# Allegro board 600-90658-01_CYW9BTM2BASE1_REV4.0.brd
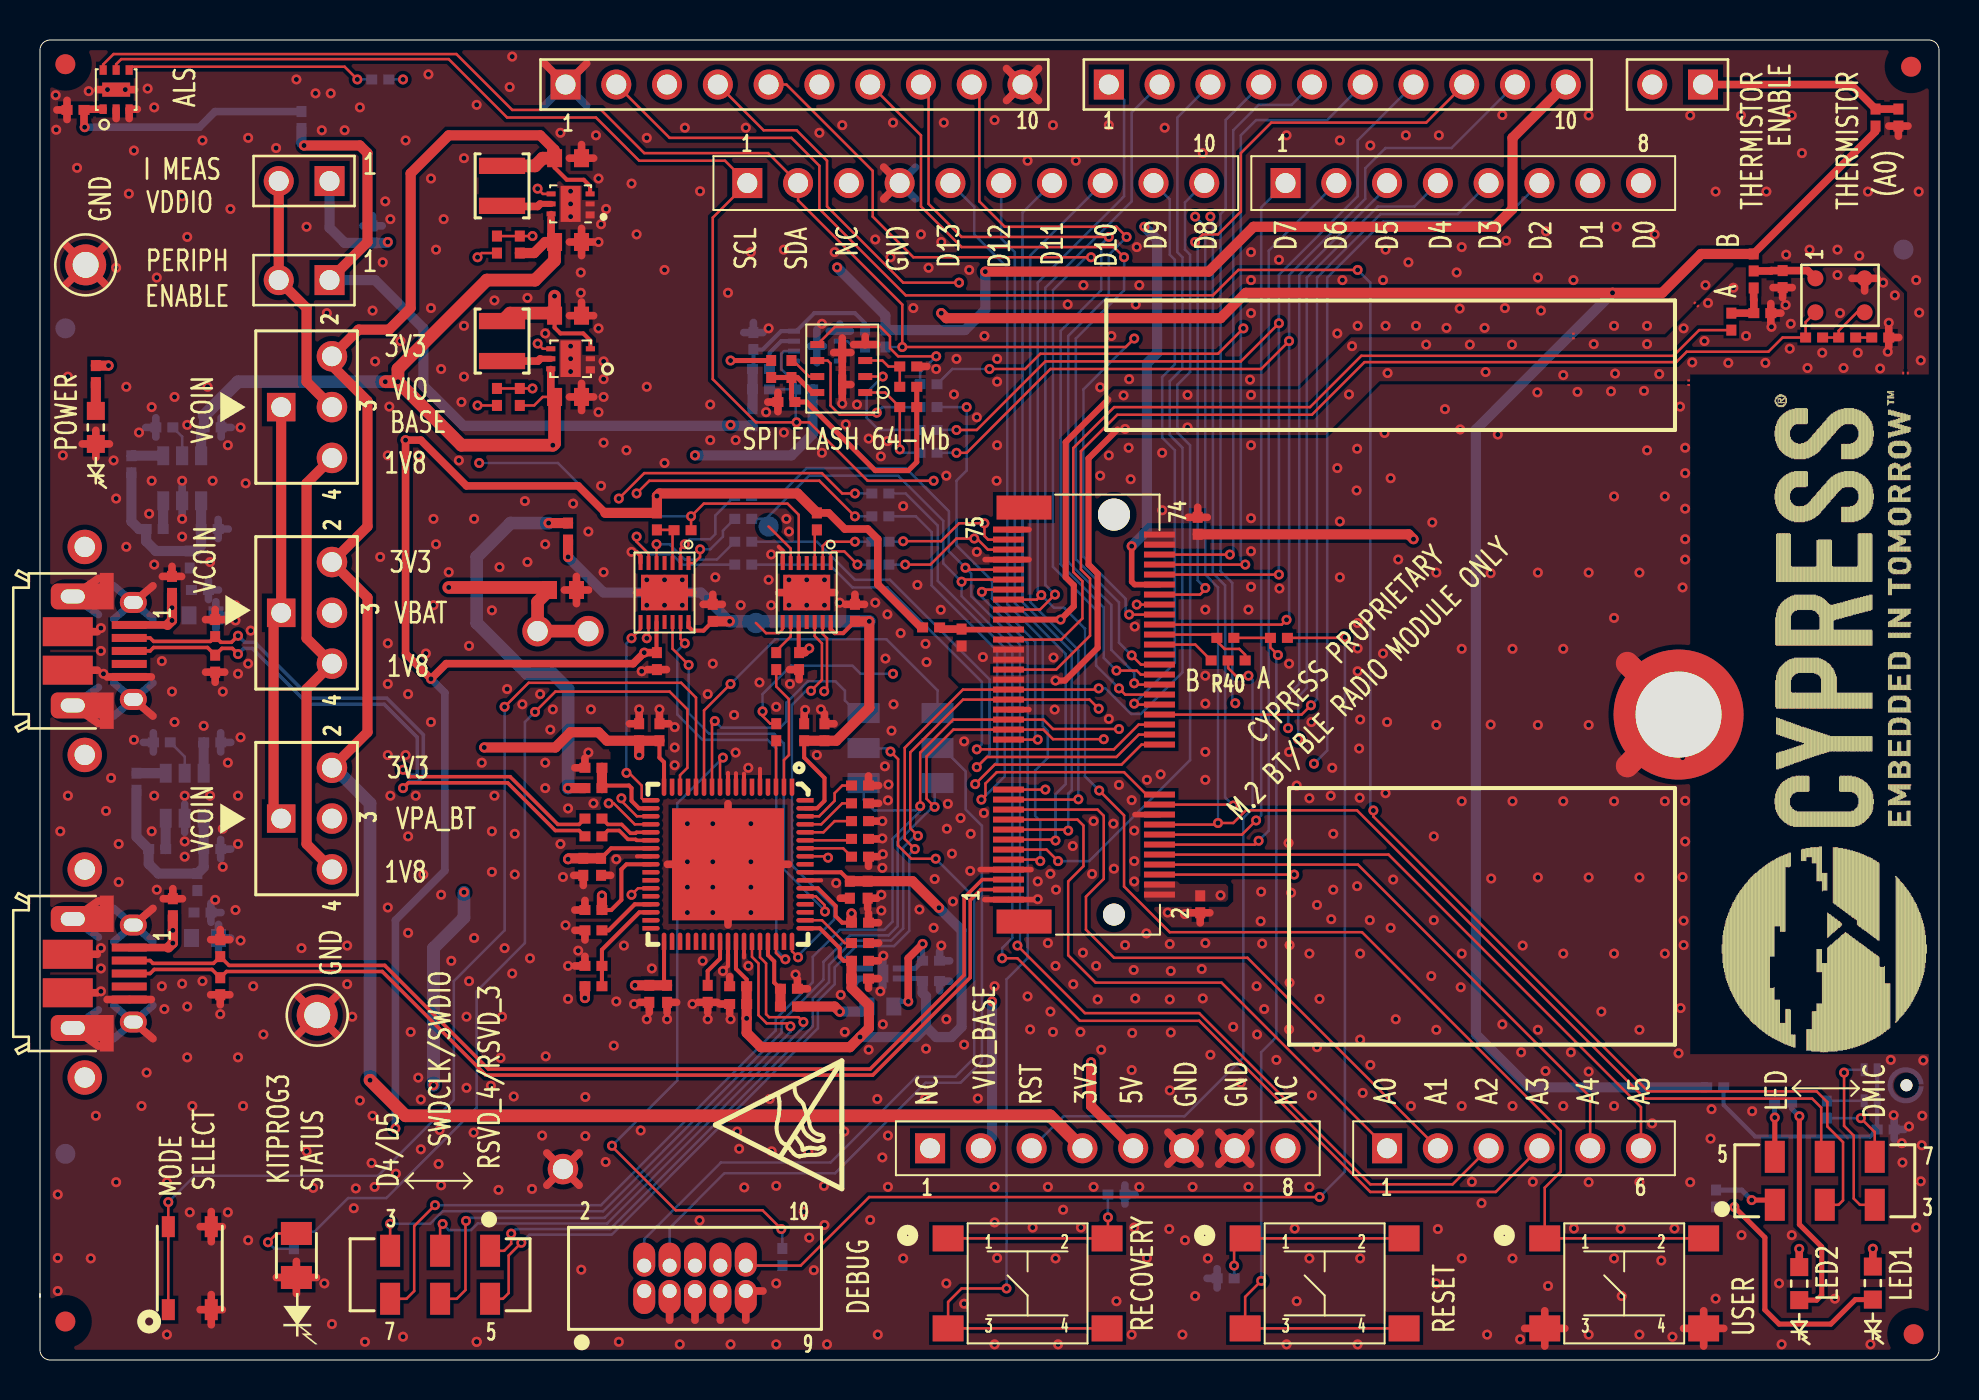
[diagram p0: board, top side]
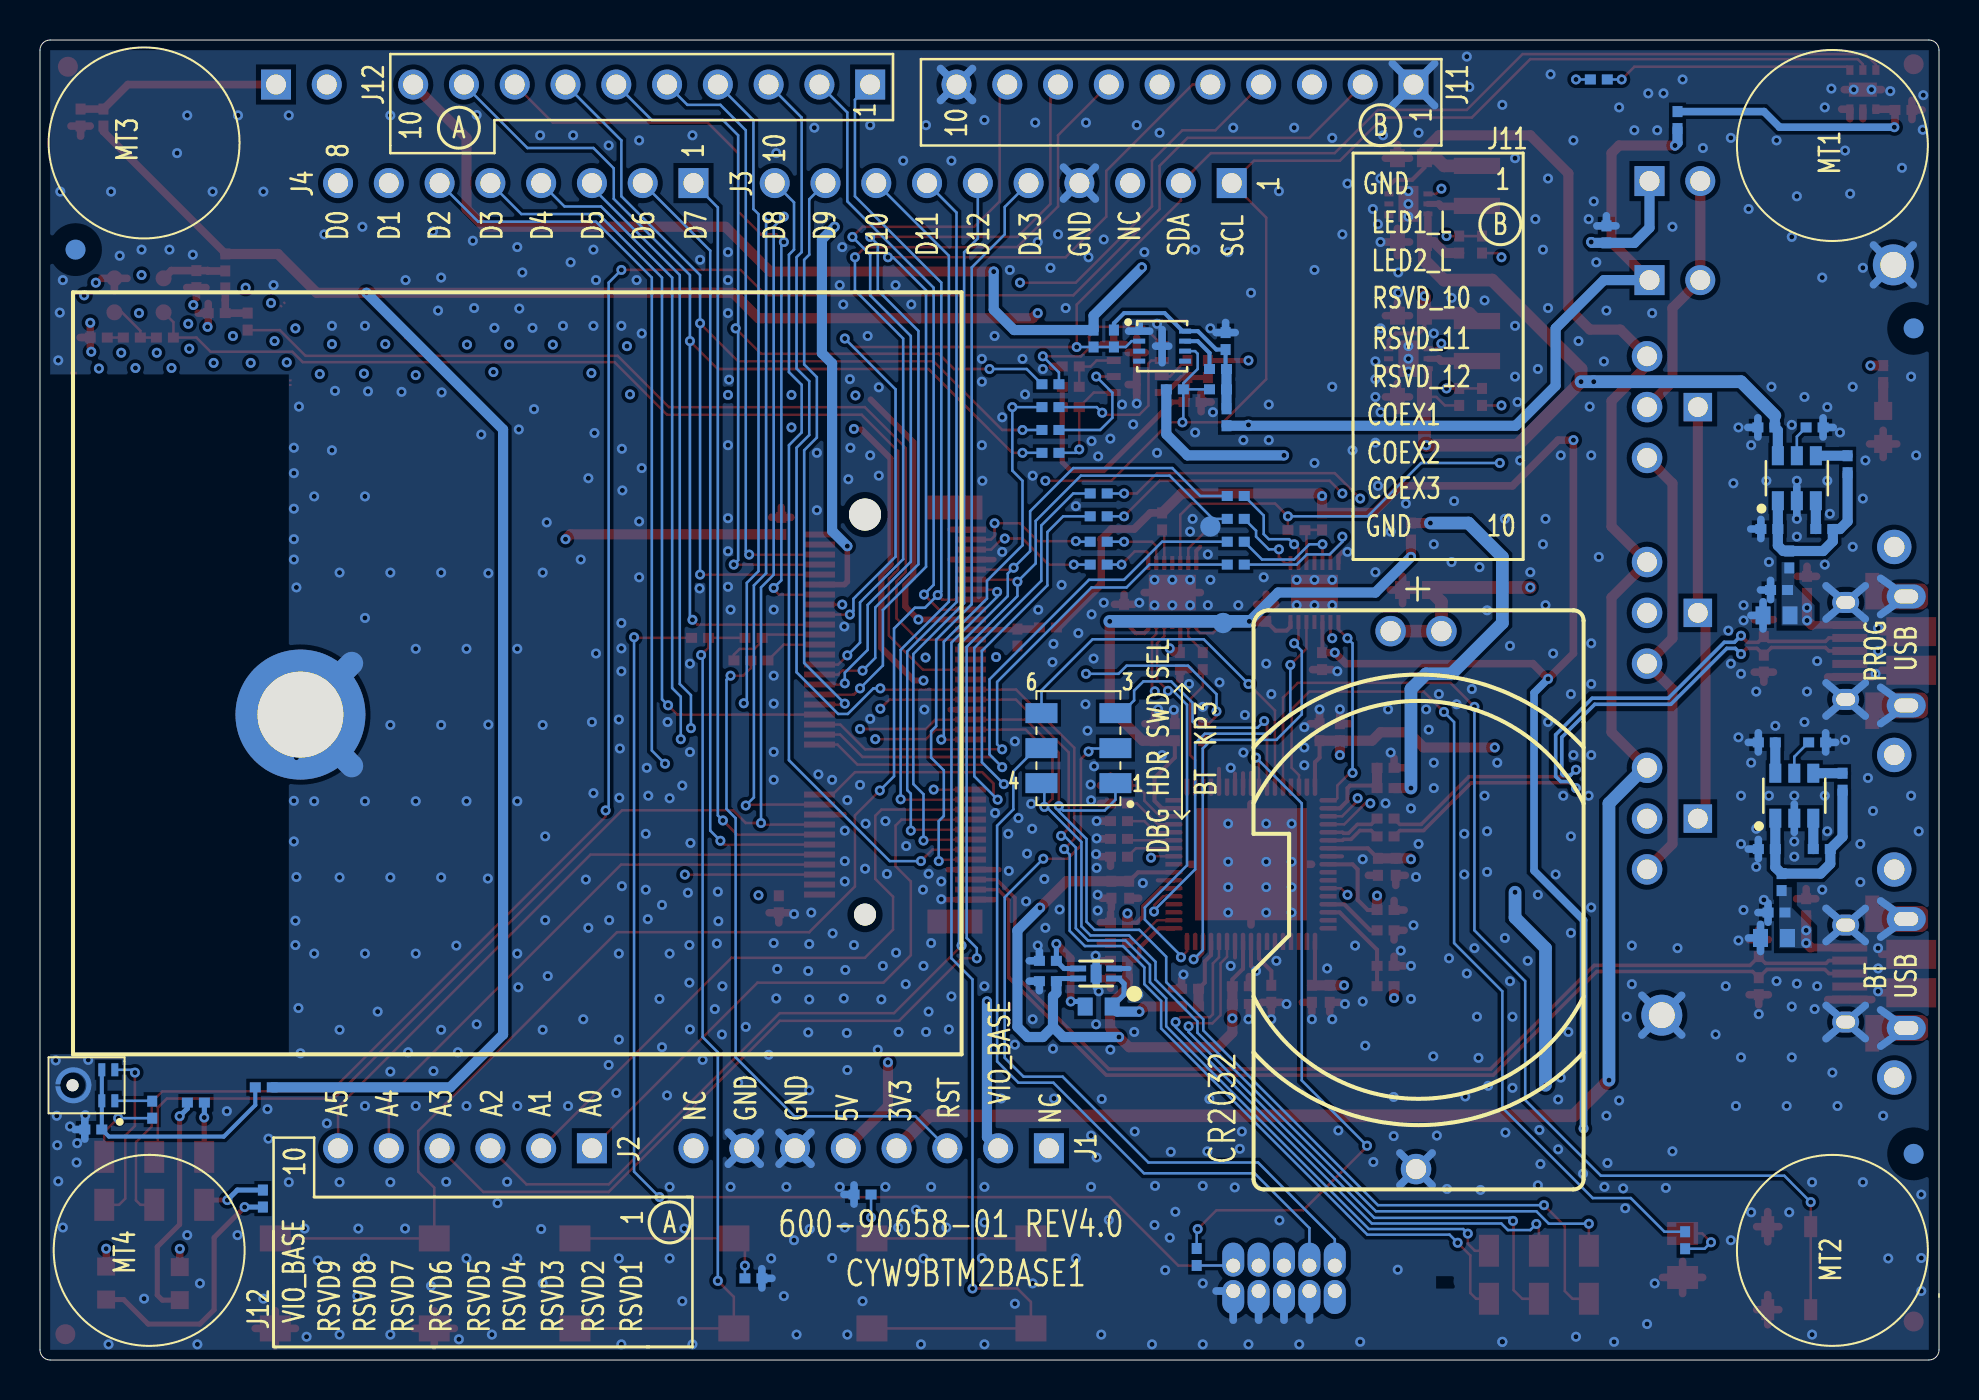
[diagram p1: board, bottom side, seen from below]

Outline 95 x 66 mm; copper layers: TOP, L02_GND, L03_PWR, BOTTOM. Coordinates in mm from the lower left corner of the outline.
Outline path: 0,65.49 arc(0.15,65.85) 0.51,66 94.49,66 arc(94.85,65.85) 95,65.49 95,0.51 arc(94.85,0.15) 94.49,0 0.51,0 arc(0.15,0.15) 0,0.51 0,3.32 0,3.13 0,65.49

## Design rules (mm)
net group BT_USB: nets BT_USB_DN BT_USB_DP
net group DP3: nets N17325251 N17325253
net group P5LP_USB_D: nets P5LP_USB_DM P5LP_USB_DP
net group PWR_PH: nets VDDUSB
nets with their own width: min track width 0.635; nets P5LP_VDD

## Placement (name value [footprint] x y rotation side)
BT1  BA2032  [BA2032-BATTERY_HOLDER]  26.16 9.54 90 bottom
C1  0.1uF  [CAPC1005_IS0402Q]  16.64 56.28 90 bottom
C2  0.1uF  [CAPC1005_IS0402Q]  46.1 36.12 270 top
C3  0.1uF  [CAPC1005_IS0402Q]  57.91 41.71 90 top
C5  4.7uF  [CAPC1005_IS0402Q]  86.16 52.34 0 top
C6  0.1uF  [CAPC1005_IS0402Q]  87.17 54.05 270 top
C7  0.47uF  [CAPC1005_IS0402Q]  92.06 51.12 0 top
C11  0.1uF  [CAPC1005_IS0402Q]  35.69 50.95 90 bottom
C13  4.7uF  [CAPC1608_IS0603Q]  26.16 38.5 0 top
C14  1uF  [CAPC1005_IS0402Q]  39.24 31.39 90 top
C15  10uF  [CAPC1608_IS0603Q]  26.42 55.9 0 top
C16  10uF  [CAPC1608_IS0603Q]  26.42 60.09 0 top
C17  4.7uF  [CAPC1005_IS0402Q]  1.78 62.5 180 top
C18  0.1uF  [CAPC1005_IS0402Q]  92.33 11.53 0 bottom
C19  10uF  [CAPC1608_IS0603Q]  26.42 48.15 0 top
C20  10uF  [CAPC1608_IS0603Q]  26.42 52.22 0 top
C21  0.1uF  [CAPC1005_IS0402Q]  44.58 19.96 0 bottom
C22  0.1uF  [CAPC1005_IS0402Q]  8 38.5 0 bottom
C23  4.7uF  [CAPC1608_IS0603Q]  8.13 37.23 0 bottom
C24  0.1uF  [CAPC1005_IS0402Q]  58.04 22.79 270 top
C25  1uF  [CAPC1005_IS0402Q]  41.02 20.85 0 top
C26  1uF  [CAPC1005_IS0402Q]  27.69 21.48 180 top
C27  1uF  [CAPC1005_IS0402Q]  41.4 23.51 270 top
C29  0.1uF  [CAPC1005_IS0402Q]  40.51 23.51 270 top
C30  1uF  [CAPC1005_IS0402Q]  41.02 19.07 0 top
C31  0.1uF  [CAPC1005_IS0402Q]  41.02 19.96 0 top
C32  1uF  [CAPC1005_IS0402Q]  30.48 18.31 270 top
C33  0.1uF  [CAPC1005_IS0402Q]  31.37 18.31 270 top
C34  1uF  [CAPC1005_IS0402Q]  34.92 17.8 180 top
C35  0.1uF  [CAPC1005_IS0402Q]  34.92 18.69 180 top
C36  1uF  [CAPC1005_IS0402Q]  29.97 31.39 90 top
C37  0.1uF  [CAPC1005_IS0402Q]  30.99 31.39 90 top
C38  1uF  [CAPC1005_IS0402Q]  27.18 24.66 270 top
C39  0.1uF  [CAPC1005_IS0402Q]  28.07 24.66 270 top
C40  0.1uF  [CAPC1005_IS0402Q]  38.23 31.39 90 top
C41  1uF  [CAPC1005_IS0402Q]  27.69 22.5 180 top
C42  1uF  [CAPC1005_IS0402Q]  41.02 21.86 0 top
C43  1uF  [CAPC1005_IS0402Q]  33.4 18.31 270 top
C45  0.1uF  [CAPC1005_IS0402Q]  40.77 37.36 90 top
C46  1uF  [CAPC1005_IS0402Q]  44.58 18.94 0 bottom
C47  0.1uF  [CAPC1005_IS0402Q]  37.97 34.94 270 top
C48  0.1uF  [CAPC1005_IS0402Q]  33.66 37.36 90 top
C49  0.1uF  [CAPC1005_IS0402Q]  30.86 34.94 270 top
C50  0.1uF  [CAPC1005_IS0402Q]  37.34 47.9 180 top
C51  0.1uF  [CAPC1005_IS0402Q]  8.13 22.37 0 bottom
C52  4.7uF  [CAPC1608_IS0603Q]  8.26 21.1 0 bottom
C53  1uF  [CAPC1005_IS0402Q]  8.49 41.55 0 bottom
C54  1uF  [CAPC1005_IS0402Q]  8.61 25.55 0 bottom
C55  1uF  [CAPC1005_IS0402Q]  8.64 46.63 0 bottom
C56  1uF  [CAPC1005_IS0402Q]  8.61 30.88 0 bottom
D1  YELLOW  [LEDC1608Q]  91.69 3.85 180 top
D2  RED  [LEDC1608Q]  88 3.82 180 top
D3  GREEN  [LEDC1608Q]  2.79 46.63 180 top
D5  YELLOW  [LEDC2012X120M]  12.83 5.23 270 top
D7  ADUC10S020R5  [FUSC1005_IS0402Q]  6.6 38.75 270 top
D8  ADUC10S020R5  [FUSC1005_IS0402Q]  8.76 36.6 270 top
D9  ADUC10S020R5  [FUSC1005_IS0402Q]  8.76 34.82 90 top
D10  ADUC10S020R5  [FUSC1005_IS0402Q]  6.65 22.64 270 top
D11  ADUC10S020R5  [FUSC1005_IS0402Q]  9.02 20.59 270 top
D12  ADUC10S020R5  [FUSC1005_IS0402Q]  9.02 18.69 90 top
FB1  600OHM  [INDC1005_IS0402Q]  7.49 40.02 90 bottom
FB2  600OHM  [INDC1005_IS0402Q]  7.87 23.9 270 bottom
J1  NPPC081LFBN-RC  [RTST254PSS8_L2120W269]  53.42 10.59 0 top
J2  NPPC061LFBN-RC  [RTST254PSS6_L1609W269]  73.74 10.59 0 top
J3  NPPC101LFBN-RC  [RTST254PSS10_L2625W269]  46.81 58.85 0 top
J4  NPPC081LFBN-RC  [RTST254PSS8_L2120W269]  71.2 58.85 0 top
J6  10103594-0001LF  [FCI_10103594-0001_KEYSTONE]  1.64 35.45 270 top
J7  -  [H6-90-06-DW]  12.06 50.18 270 top
J8  -  [H6-90-06-DW]  12.06 39.9 270 top
J11  PBC10SAAN  [CTST254PSS10]  26.29 63.77 0 top
J12  PBC10SAAN  [CTST254PSS10]  53.47 63.77 0 top
J13  3220-10-0100-00  [CNC_3220-10-0100-00]  30.23 3.45 0 top
J16  -  [H6-90-06-DW]  12.06 29.61 270 top
J17  PBC02SAAN  [CTST254PSS2]  14.48 58.95 180 top
J18  PBC02SAAN  [CTST254PSS2]  83.19 63.77 180 top
J19  PBC02SAAN  [CTST254PSS2]  14.48 53.99 180 top
J21  10103594-0001LF  [FCI_10103594-0001_KEYSTONE]  1.64 19.32 270 top
J100  MDT420E03001  [M_2_2230-XX-E_MDT420E02001]  53.73 32.27 90 top
L1  1uH  [INDC2520]  23.11 50.95 90 top
L3  1uH  [INDC2520]  23.11 58.71 90 top
M1  S001-00001-A42-R  [MT_PTH4_20]  81.97 32.27 0 top
MIC1  SPU0414HR5H-SB  [MICS4_KNOWL_SPU0410HR5H]  90.04 53.23 90 top
NOREF  -  []  8.25 0 90 top
NOREF#2  -  []  -279.4 -192.89 0 top
NOREF#3  -  []  22.76 -23.02 0 top
NOREF#4  -  []  0 29.41 0 top
NOREF#5  -  [unnamed#2]  93.73 1.29 0 top
NOREF#6  -  [unnamed#2]  1.27 1.92 0 top
NOREF#7  -  []  139.7 73.81 0 top
NOREF#8  -  []  22.86 -22.71 0 top
NOREF#9  -  []  157.48 111.91 0 top
NOREF#10  -  [unnamed#2]  1.27 64.79 0 top
NOREF#11  -  [unnamed#2]  93.6 64.66 0 top
NOREF#12  -  []  419.1 -114.15 0 top
NOREF#13  -  []  5.33 60.73 180 bottom
NOREF#14  -  []  5.33 5.48 180 bottom
NOREF#15  -  [unnamed#2]  1.27 51.58 180 bottom
NOREF#16  -  []  89.53 5.48 180 bottom
NOREF#17  -  [unnamed#2]  1.27 10.31 180 bottom
NOREF#18  -  []  89.79 60.85 180 bottom
NOREF#19  -  []  144.73 -23.17 180 bottom
NOREF#20  -  [unnamed#2]  93.22 55.52 180 bottom
NOREF#21  -  []  419.1 -114.15 180 bottom
R1  0 OHM  [RESC1005_IS0402Q]  61.98 36.11 180 top
R6  0 OHM  [RESC1005_IS0402Q]  44.58 36.63 180 top
R7  22 OHM  [RESC1005_IS0402Q]  27.69 26.18 0 top
R9  750 OHM  [RESC1005_IS0402Q]  12.7 5.99 270 bottom
R10  100 OHM  [RESC1005_IS0402Q]  84.61 51.92 90 top
R11  0 OHM  [RESC1005_IS0402Q_OPT_AB]  85.72 54.45 90 top
R12  100 OHM  [RESC1005_IS0402Q]  89.38 12.52 270 bottom
R15  0 OHM  [RESC1005_IS0402Q]  88.75 51.12 0 top
R16  390 OHM  [RESC1005_IS0402Q]  83.85 8.07 90 bottom
R17  5.1K OHM  [RESC1005_IS0402Q]  90.4 51.12 180 top
R18  390 OHM  [RESC1005_IS0402Q]  87.2 12.87 0 bottom
R19  10K  [RESC1005_IS0402Q]  5.74 41.55 0 bottom
R20  0 OHM  [RESC1005_IS0402Q]  35.64 47.14 270 bottom
R21  4.7K  [RESC1005_IS0402Q]  36.07 48.53 0 bottom
R22  0 OHM  [RESC1005_IS0402Q]  13.08 62 270 bottom
R23  100K OHM  [RESC1005_IS0402Q]  4.57 44.79 90 bottom
R24  44.2K  [RESC1005_IS0402Q]  6.22 46.63 180 bottom
R25  4.7K  [RESC1005_IS0402Q]  41.27 51.07 270 bottom
R26  0 OHM  [RESC1005_IS0402Q]  17.02 64.03 0 bottom
R27  100K OHM  [RESC1005_IS0402Q]  36.07 49.55 0 bottom
R28  0 OHM  [RESC1005_IS0402Q]  83.8 13.63 180 bottom
R29  0 OHM  [RESC1005_IS0402Q]  37.13 5.15 90 bottom
R30  0 OHM  [RESC1005_IS0402Q]  44.45 46.5 0 bottom
R31  0 OHM  [RESC1005_IS0402Q]  26.42 41.42 270 top
R32  100K OHM  [RESC1005_IS0402Q]  92.96 62.12 270 top
R33  0 OHM  [RESC1005_IS0402Q]  44.45 47.64 0 bottom
R34  0 OHM  [RESC1005_IS0402Q]  44.45 48.79 0 bottom
R35  330 OHM  [RESC1005_IS0402Q]  2.79 49.3 270 top
R36  0 OHM  [RESC1005_IS0402Q]  41.02 25.17 180 top
R37  0 OHM  [RESC1005_IS0402Q]  44.45 45.36 0 bottom
R38  4.7K  [RESC1005_IS0402Q]  42.29 51.07 270 bottom
R39  4.7K  [RESC1005_IS0402Q]  38.23 48.53 180 bottom
R40  0 OHM  [RESC1005_IS0402Q_OPT_AB]  59.44 34.98 180 top
R41  0 OHM  [RESC1005_IS0402Q]  41.02 28.72 180 top
R42  10K  [RESC1005_IS0402Q]  24 48.15 90 top
R43  10K  [RESC1005_IS0402Q]  5.86 25.55 0 bottom
R44  100K OHM  [RESC1005_IS0402Q]  4.83 28.91 90 bottom
R45  0 OHM  [RESC1005_IS0402Q]  36.83 31.39 90 top
R46  44.2K  [RESC1005_IS0402Q]  6.1 30.88 180 bottom
R47  22 OHM  [RESC1005_IS0402Q]  27.69 27.07 0 top
R49  49.9K OHM  [RESC1005_IS0402Q]  37.47 18.56 180 top
R51  15K  [RESC1005_IS0402Q]  27.69 28.59 0 top
R52  15K  [RESC1005_IS0402Q]  27.69 18.69 0 top
R53  49.9K OHM  [RESC1005_IS0402Q]  37.47 17.67 180 top
R54  30K  [RESC1005_IS0402Q]  27.69 29.61 0 top
R55  30K  [RESC1005_IS0402Q]  27.69 19.7 0 top
R56  10K  [RESC1005_IS0402Q]  38.86 41.93 90 top
R57  0 OHM  [RESC1005_IS0402Q]  41.02 26.05 180 top
R58  0 OHM  [RESC1005_IS0402Q]  41.02 26.94 180 top
R59  0 OHM  [RESC1005_IS0402Q]  41.02 27.83 180 top
R64  10K  [RESC1005_IS0402Q]  30.86 41.93 90 top
R65  0 OHM  [RESC1608_IS0603Q]  42.04 17.67 180 bottom
R71  0 OHM  [RESC1005_IS0402Q]  42.04 43.33 0 bottom
R72  0 OHM  [RESC1005_IS0402Q]  42.04 42.18 0 bottom
R73  0 OHM  [RESC1005_IS0402Q]  35.18 40.91 0 bottom
R74  0 OHM  [RESC1005_IS0402Q]  35.18 39.77 0 bottom
R75  0 OHM  [RESC1005_IS0402Q]  35.18 42.06 0 bottom
R76  0 OHM  [RESC1005_IS0402Q]  35.18 43.2 0 bottom
R77  0 OHM  [RESC1005_IS0402Q]  42.04 39.77 0 bottom
R78  0 OHM  [RESC1005_IS0402Q]  42.04 40.91 0 bottom
R79  0 OHM  [RESC1005_IS0402Q]  53.85 8.27 0 bottom
R80  0 OHM  [RESC1005_IS0402Q]  59.31 4.08 180 bottom
R84  10K  [RESC1005_IS0402Q]  43.43 48.66 180 top
R85  10K  [RESC1005_IS0402Q]  43.43 47.64 180 top
R86  10K  [RESC1005_IS0402Q]  37.59 49.55 90 top
R87  100K OHM  [RESC1005_IS0402Q]  43.43 49.68 0 top
R88  0 OHM  [RESC1005_IS0402Q]  36.58 49.55 90 top
R93  10K  [RESC1005_IS0402Q]  24 55.77 90 top
R95  0 OHM  [RESC1005_IS0402Q]  59.3 36.11 180 top
R96  10K  [RESC1005_IS0402Q]  32.14 41.49 180 top
R97  0 OHM  [RESC1005_IS0402Q]  36.83 34.94 90 top
R98  10K  [RESC1005_IS0402Q]  22.86 55.77 90 top
R99  10K  [RESC1005_IS0402Q]  22.86 48.15 90 top
SW1  PTS645SK43SMTR92 LFS  [SWPBS4_PTS645_SMT]  49.4 3.83 0 top
SW2  PTS645-S-M-43-SMTR92-LFS  [SWPBS4_PTS645_SMT]  64.26 3.83 0 top
SW3  PTS645SL43SMTR92 LFS  [SWPBS4_PTS645_SMT]  79.25 3.83 0 top
SW4  JS202011JCQN  [SW_JS202011JCQN]  89.28 8.96 0 top
SW5  SKRPACE010  [SW_SKRPACE010]  7.49 4.59 90 top
SW8  JS202011JCQN  [SW_JS202011JCQN]  20.02 4.26 180 top
SW15  CAS-220A1  [SWSLS6_COPAL_CAS-220A]  43.05 30.59 0 bottom
TH2  100K OHM  [RESC1005_IS0402Q]  91.82 62.12 90 top
TIE1  5X13MIL  [NET_TIE_5X13MILS]  93.32 49.35 180 top
TIE2  5X13MIL  [NET_TIE_5X13MILS]  82.47 48.86 90 top
TIE3  5X13MIL  [NET_TIE_5X13MILS]  76.71 51.2 270 top
TIE4  5X13MIL  [NET_TIE_5X13MILS]  82.86 52.78 315 top
TP7  BLACK  [TPT1_KOB_151-10X-RC]  13.87 17.24 0 top
TP8  BLACK  [TPT1_KOB_151-10X-RC]  2.29 54.76 0 top
TP42  200-MM-RND  [TP40B]  35.81 36.85 180 bottom
TP43  200-MM-RND  [TP40B]  36.45 41.68 180 bottom
U3  DFN8 (DNI)  [SON50P250X250_8_HS120X020_PRELIM]  38.86 50.69 180 bottom
U4  XC9261B33DER-G  [SON50P200X180_6_USP-6CQ]  26.54 57.8 180 top
U5  XC9261B18DER-G  [USP-6C_XC9258]  26.54 50.31 180 top
U6  NCP380HSNAJAAT1G  [TSOP095P275_6_300]  7.11 44.09 90 bottom
U7  MAX3378EETD+T  [TDFN14_3X3_MAX3378]  31.24 38.37 270 top
U8  MAX3378EETD+T  [TDFN14_3X3_MAX3378]  38.35 38.37 270 top
U9  SIP32402ADNP-T1GE4  [TDFN50P160X120X60-5M]  42.16 19.32 0 bottom
U10  MAX44009EDT+  [DFN6_MAX44009]  3.81 63.52 0 top
U11  GD25WQ64ENIG  [USON8_3X4_GD25WQ64ENIG]  40.13 49.57 180 top
U12  CY8C5868LTI-LP039  [QFN68_8X8MM]  34.42 24.78 270 top
U13  IM69D127V11  [MICS5_IM69D127V11]  93.37 13.74 270 bottom
U15  NCP380HSNAJAAT1G  [TSOP095P275_6_300]  7.24 28.21 90 bottom

## Library data of the parts
BT1 = BATTERY_SKT
C1-C3 C5-C7 C11 C13-C27 C29-C43 C45-C56 = CAP: User Part Number: Part No
D1-D3 = DIO-LED: User Part Number: Part No
D5 = LED
D7-D12 = DIO-TVS-BIPOLAR-2: User Part Number: Part No
FB1 FB2 = FB: User Part Number: Part No
J1 J4 = SKT-8-ALT-J: User Part Number: Part No
J2 = SKT-6-J: User Part Number: Part No
J3 = SKT-10-J: User Part Number: Part No
J6 J21 = USB-5P-6SH-J: User Part Number: Part No
J7 J8 J16 = H6-90-06-DW
J11 J12 = HDR1X10-J: User Part Number: Part No
J13 = HDR2X4R-J_0
J17-J19 = HDR1X2-J: User Part Number: Part No
J100 = TMP_3
L1 L3 = IND
M1 = SM3ZS067U410-NUT1-R1200
MIC1 = MICROPHONE-SPU0414HR5H: User Part Number: Part No
R1 R6 R7 R9 R10 R12 R15-R39 R41-R47 R49 R51-R59 R64 R65 R71-R80 R84-R88 R93 R95-R99 = RES: User Part Number: Part No
R11 R40 = RES-OPT-A+B: User Part Number: Part No
SW1-SW3 = SW-SPST-12-34
SW4 SW8 = SW_DPDT_JS202011CQN
SW5 = SW PUSH NO 4-PIN
SW15 = SWITCH-DPDT-6P-ALT: User Part Number: Part No
TH2 = THERMISTOR: User Part Number: Part No
TIE1-TIE4 = NET-TIE3: User Part Number: Part No
TP7 TP8 = TP: User Part Number: Part No
TP42 TP43 = TP
U3 = LTC4313-DIL8_0: User Part Number: Part No
U4 = XC926X-DFN6H: User Part Number: Part No
U5 = XC9265-DFN6H_4
U6 U15 = NCP380_TSOP-6: User Part Number: Part No
U7 U8 = MAX3378E
U9 = SIP32402ADNP
U10 = MAX44009
U11 = GD25WQ64ENIG
U12 = CY8C5868LTI-LP039
U13 = IM69D127V11: User Part Number: Part No

## Footprints (pads in the part's own frame, mm; a bottom-side part is the same pattern mirrored in y, then rotated)
BA2032-BATTERY_HOLDER
  round 1.524 hole 1.016: 1(26.899,1.27) 2(26.899,-1.27) 3(0,0)
CAPC1005_IS0402Q
  rect 0.55x0.5 smd: 1(-0.425,0) 2(0.425,0)
CAPC1608_IS0603Q
  rect 0.75x0.9 smd: 1(-0.675,0) 2(0.675,0)
CNC_3220-10-0100-00
  oval 1.1x1.7 hole 0.7: 1(0,0) 2(0,1.27) 3(1.27,0) 4(1.27,1.27) 5(2.54,0) 6(2.54,1.27) 7(3.81,0) 8(3.81,1.27) 9(5.08,0) 10(5.08,1.27)
CTST254PSS2
  rect 1.5x1.5 hole 1: 1(0,0)
  round 1.5 hole 1: 2(2.54,0)
CTST254PSS10
  rect 1.5x1.5 hole 1: 1(0,0)
  round 1.5 hole 1: 2(2.54,0) 3(5.08,0) 4(7.62,0) 5(10.16,0) 6(12.7,0) 7(15.24,0) 8(17.78,0) 9(20.32,0) 10(22.86,0)
DFN6_MAX44009
  rect 0.36x0.48 smd: 1(-0.65,-0.979) 2(0,-0.979) 3(0.65,-0.979) 4(0.65,0.979) 5(0,0.979) 6(-0.65,0.979)
  rect 1.4x0.71 smd: 7(0,0)
FCI_10103594-0001_KEYSTONE
  round 1.72 hole 1.02: (-5.2,0.6) (5.2,0.6)
  rect 0.4x1.75 smd: 1(-1.3,2.825) 2(-0.65,2.825) 3(0,2.825) 4(0.65,2.825) 5(1.3,2.825)
  oval 1.05x1.35 hole 0.65x0.95: SH1(-2.425,3.03) SH2(2.425,3.03)
  oval 1.2x1.95 hole 0.7x1.2: SH3(-2.725,0) SH4(2.725,0)
  rect 1.45x2.5 smd: SH5(0.962,-0.25) SH6(-0.962,-0.25)
FUSC1005_IS0402Q
  rect 0.55x0.5 smd: 1(-0.425,0) 2(0.425,0)
H6-90-06-DW
  rect 1.422x1.422 hole 0.991: 1(2.54,0)
  round 1.524 hole 0.991: 2(0,2.54) 3(2.54,2.54) 4(5.08,2.54)
INDC1005_IS0402Q
  rect 0.55x0.5 smd: 1(-0.425,0) 2(0.425,0)
INDC2520
  rect 0.813x2.311 smd: 1(-1,0) 2(1,0)
LEDC1608Q
  rect 0.9x0.9 smd: A(0,-0.826) C(0,0.826)
LEDC2012X120M
  rect 1.15x1.55 smd: 1(1.1,0) 2(-1.1,0)
M_2_2230-XX-E_MDT420E02001
  rect 1.2x2.75 smd: (-10.35,4.5) (10.35,4.5)
  round 1.1 hole 1.1 unplated: (-10,0)
  round 1.6 hole 1.6 unplated: (10,0)
  rect 0.3x1.55 smd: 1(-9.25,5.275) 2(-9,-2.275) 3(-8.75,5.275) 4(-8.5,-2.275) 5(-8.25,5.275) 6(-8,-2.275) 7(-7.75,5.275) 8(-7.5,-2.275) 9(-7.25,5.275) 10(-7,-2.275) 11(-6.75,5.275) 12(-6.5,-2.275) 13(-6.25,5.275) 14(-6,-2.275) 15(-5.75,5.275) 16(-5.5,-2.275) 17(-5.25,5.275) 18(-5,-2.275) 19(-4.75,5.275) 20(-4.5,-2.275) 21(-4.25,5.275) 22(-4,-2.275) 23(-3.75,5.275) 32(-1.5,-2.275) 33(-1.25,5.275) 34(-1,-2.275) 35(-0.75,5.275) 36(-0.5,-2.275) 37(-0.25,5.275) 38(0,-2.275) 39(0.25,5.275) 40(0.5,-2.275) 41(0.75,5.275) 42(1,-2.275) 43(1.25,5.275) 44(1.5,-2.275) 45(1.75,5.275) 46(2,-2.275) 47(2.25,5.275) 48(2.5,-2.275) 49(2.75,5.275) 50(3,-2.275) 51(3.25,5.275) 52(3.5,-2.275) 53(3.75,5.275) 54(4,-2.275) 55(4.25,5.275) 56(4.5,-2.275) 57(4.75,5.275) 58(5,-2.275) 59(5.25,5.275) 60(5.5,-2.275) 61(5.75,5.275) 62(6,-2.275) 63(6.25,5.275) 64(6.5,-2.275) 65(6.75,5.275) 66(7,-2.275) 67(7.25,5.275) 68(7.5,-2.275) 69(7.75,5.275) 70(8,-2.275) 71(8.25,5.275) 72(8.5,-2.275) 73(8.75,5.275) 74(9,-2.275) 75(9.25,5.275)
MICS4_KNOWL_SPU0410HR5H
  round 0.8 smd: 1(0.85,1.23) 2(0.85,-1.23) 3(-0.85,-1.23) 4(-0.85,1.23)
MICS5_IM69D127V11
  round 0.6 hole 0.6 unplated: (0,0)
  rect 0.65x0.35 smd: 1(0.775,2.115) 2(0.775,1.465) 3(-0.775,2.115) 4(-0.775,1.465)
  round 0.2 smd: 5(0,0.841)
MT_PTH4_20
  round 6.5 hole 4.3: 1(0,0)
NET_TIE_5X13MILS
  rect 0.1x0.13 smd: 1(-0.115,0) 2(0.115,0)
QFN68_8X8MM
  custom 0.864x0.23 smd: 1(-3.851,3.2) 2(-3.851,2.799) 3(-3.851,2.4) 4(-3.851,1.999) 5(-3.851,1.6) 6(-3.851,1.199) 7(-3.851,0.8) 8(-3.851,0.399) 9(-3.851,0) 10(-3.851,-0.399) 11(-3.851,-0.8) 12(-3.851,-1.199) 13(-3.851,-1.6) 14(-3.851,-1.999) 15(-3.851,-2.4) 16(-3.851,-2.799) 17(-3.851,-3.2) 35(3.851,-3.2) 36(3.851,-2.799) 37(3.851,-2.4) 38(3.851,-1.999) 39(3.851,-1.6) 40(3.851,-1.199) 41(3.851,-0.8) 42(3.851,-0.399) 43(3.851,0) 44(3.851,0.399) 45(3.851,0.8) 46(3.851,1.199) 47(3.851,1.6) 48(3.851,1.999) 49(3.851,2.4) 50(3.851,2.799) 51(3.851,3.2)
  custom 0.23x0.864 smd: 18(-3.2,-3.851) 19(-2.799,-3.851) 20(-2.4,-3.851) 21(-1.999,-3.851) 22(-1.6,-3.851) 23(-1.199,-3.851) 24(-0.8,-3.851) 25(-0.399,-3.851) 26(0,-3.851) 27(0.399,-3.851) 28(0.8,-3.851) 29(1.199,-3.851) 30(1.6,-3.851) 31(1.999,-3.851) 32(2.4,-3.851) 33(2.799,-3.851) 34(3.2,-3.851) 52(3.2,3.851) 53(2.799,3.851) 54(2.4,3.851) 55(1.999,3.851) 56(1.6,3.851) 57(1.199,3.851) 58(0.8,3.851) 59(0.399,3.851) 60(0,3.851) 61(-0.399,3.851) 62(-0.8,3.851) 63(-1.199,3.851) 64(-1.6,3.851) 65(-1.999,3.851) 66(-2.4,3.851) 67(-2.799,3.851) 68(-3.2,3.851)
  rect 5.601x5.601 smd: 69(0,0)
RESC1005_IS0402Q
  rect 0.55x0.5 smd: 1(-0.425,0) 2(0.425,0)
RESC1005_IS0402Q_OPT_AB
  rect 0.55x0.5 smd: A(-0.85,0) B(0.85,0) C(0,0)
RESC1608_IS0603Q
  rect 0.75x0.9 smd: 1(-0.675,0) 2(0.675,0)
RTST254PSS6_L1609W269
  rect 1.5x1.5 hole 1: 1(-6.35,0)
  round 1.5 hole 1: 2(-3.81,0) 3(-1.27,0) 4(1.27,0) 5(3.81,0) 6(6.35,0)
RTST254PSS8_L2120W269
  rect 1.5x1.5 hole 1: 1(-8.89,0)
  round 1.5 hole 1: 2(-6.35,0) 3(-3.81,0) 4(-1.27,0) 5(1.27,0) 6(3.81,0) 7(6.35,0) 8(8.89,0)
RTST254PSS10_L2625W269
  rect 1.5x1.5 hole 1: 1(-11.43,0)
  round 1.5 hole 1: 2(-8.89,0) 3(-6.35,0) 4(-3.81,0) 5(-1.27,0) 6(1.27,0) 7(3.81,0) 8(6.35,0) 9(8.89,0) 10(11.43,0)
SON50P200X180_6_USP-6CQ
  rect 0.45x0.35 smd: 1(-0.975,0.55)
  rect 0.45x0.25 smd: 2(-0.975,0) 3(-0.975,-0.5) 4(0.975,-0.5) 5(0.975,0) 6(0.975,0.5)
  rect 1x1.8 smd: H(0,0)
SON50P250X250_8_HS120X020_PRELIM
  rect 0.6x0.25 smd: 1(-1.148,0.75) 2(-1.148,0.25) 3(-1.148,-0.25) 4(-1.148,-0.75) 5(1.148,-0.75) 6(1.148,-0.25) 7(1.148,0.25) 8(1.148,0.75)
  rect 0.2x1.2 smd: H(0,0)
SW_JS202011JCQN
  rect 1x1.6 smd: 1(-2.5,-1.2) 2(0,-1.2) 3(2.5,-1.2) 5(-2.5,1.2) 6(0,1.2) 7(2.5,1.2)
SW_SKRPACE010
  rect 1.05x0.65 smd: 1(-2.075,1.075) 2(2.075,1.075) 3(-2.075,-1.075) 4(2.075,-1.075)
SWPBS4_PTS645_SMT
  rect 1.55x1.3 smd: 1(-3.975,2.25) 2(3.975,2.25) 3(-3.975,-2.25) 4(3.975,-2.25)
SWSLS6_COPAL_CAS-220A
  rect 1.6x1 smd: 1(-1.85,1.75) 2(-1.85,0) 3(-1.85,-1.75) 4(1.85,1.75) 5(1.85,0) 6(1.85,-1.75)
TDFN14_3X3_MAX3378
  rect 0.7x0.2 smd: 1(-1.475,1.2) 2(-1.475,0.8) 3(-1.475,0.4) 4(-1.475,0) 5(-1.475,-0.4) 6(-1.475,-0.8) 7(-1.475,-1.2) 8(1.475,-1.2) 9(1.475,-0.8) 10(1.475,-0.4) 11(1.475,0) 12(1.475,0.4) 13(1.475,0.8) 14(1.475,1.2)
  rect 1.78x2.35 smd: 15(0,0)
TDFN50P160X120X60-5M
  rect 0.8x0.3 smd: 1(-0.9,0.25) 2(-0.9,-0.25) 3(0.9,-0.25) 4(0.9,0.25)
  rect 0.551x0.899 smd: 5(0,0)
TP40B
  round 1.016 smd: 1(0,0)
TPT1_KOB_151-10X-RC
  round 2.05 hole 1.3: 1(0,0)
TSOP095P275_6_300
  rect 0.95x0.6 smd: 1(-1.125,0.95) 2(-1.125,0) 3(-1.125,-0.95) 4(1.125,-0.95) 5(1.125,0) 6(1.125,0.95)
unnamed#2
  round 1 smd: (0,0)
USON8_3X4_GD25WQ64ENIG
  rect 0.7x0.35 smd: 1(-1.15,1.2) 2(-1.15,0.4) 3(-1.15,-0.4) 4(-1.15,-1.2) 5(1.25,-1.2) 6(1.25,-0.4) 7(1.25,0.4) 8(1.25,1.2)
  rect 0.4x1 smd: H1(0,0.8) H2(0,-0.8)
USP-6C_XC9258
  rect 0.457x0.356 smd: 1(-0.991,0.801)
  rect 0.457x0.254 smd: 2(-0.991,0.25) 3(-0.991,-0.25) 4(0.991,-0.25) 5(0.991,0.25) 6(0.991,0.751)
  rect 1.016x1.829 smd: H(0,0.248)
